# Altium PCB PROC054D_MMWCAS_RF_EVM_ASCII.PcbDoc (part 12 of 13) (continued)
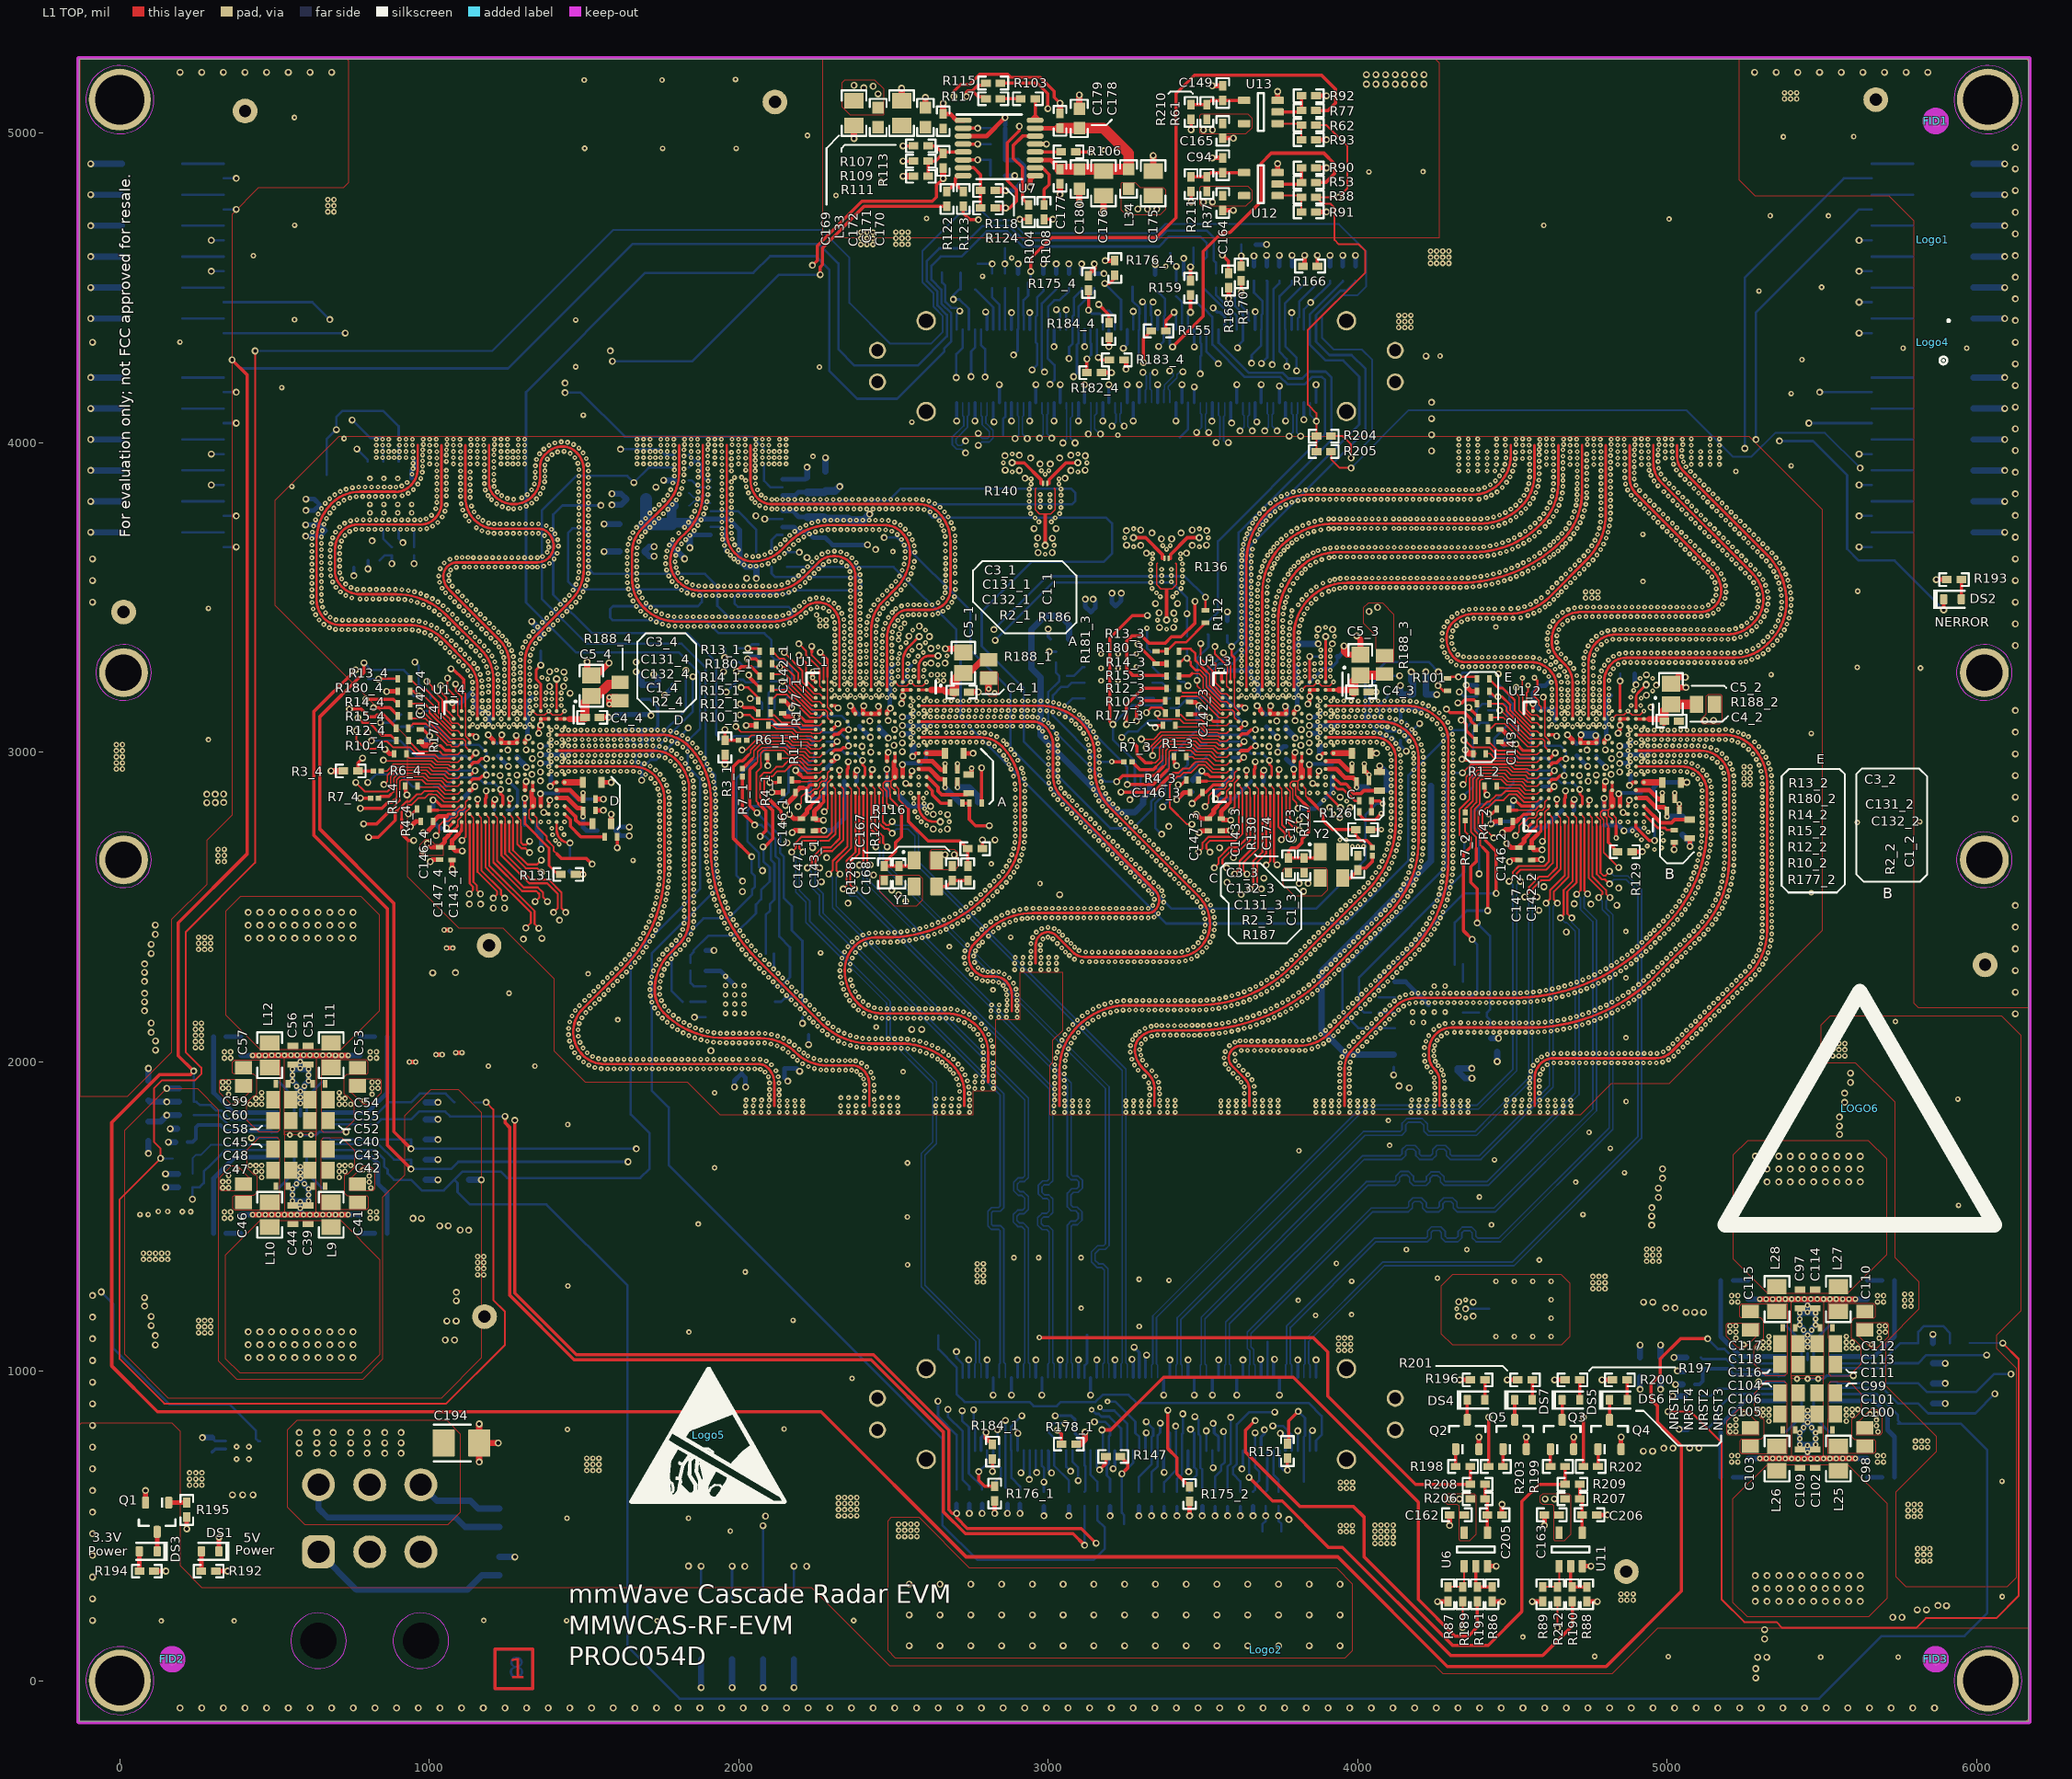
[diagram p0: L1 TOP view]
## Polygon pours and split planes (outlines as drawn) (continued)
GND on L8 BOTTOM "L8_BOTTOM_GND_P29717" (solid, remove dead copper, pour order 29717): 377.44,716.09 369.17,707.82 369.17,684.67 342.1,657.59 342.1,594.18 355.44,580.84 437.95,580.84 452.35,595.24 452.35,658.52 424.84,686.04 424.84,708.06 416.81,716.09
AWR_3_1V2_FILT on L8 BOTTOM "L8_BOTTOM_AWR_3_1V2_FILT_P29784" (solid, remove dead copper, pour order 29784): 3415,2926.83 3522.31,3034.14 3632.94,3034.14 3688.8,2978.27 3796.08,2978.27 3816.09,2958.26 3816.09,2796.64 3710.44,2690.99 3475.55,2690.99 3415,2751.55
SYSTEM_5V0 on L8 BOTTOM "L8_BOTTOM_SYSTEM_5V0_P29757" (solid, remove dead copper, pour order 29757): 18 vertices, not listed, extent 440.48,612.88 715.24,828.57
SYSTEM_3V3 on L3 SIGNAL 1 "L3_SIGNAL_1_SYSTEM_3V3_P29682" (solid, remove dead copper, pour order 29682): 19 vertices, not listed, extent 2819,3443.85 6168.77,5235.17
AWR_3_1V2_FILT on L3 SIGNAL 1 "L3_SIGNAL_1_AWR_3_1V2_FILT_P29678" (solid, remove dead copper, pour order 29678): 4005.77,1049.26 3933.6,977.08 3443.92,977.08 3238.07,1181.62 3238.07,1884.53 3238.07,2920.34 3282.12,2964.39 3458.65,3140.84 3651.28,3140.84 3798.48,2993.64 3798.48,1309.59 4005.77,1102.29
SYSTEM_3V3 on L3 SIGNAL 1 "L3_SIGNAL_1_SYSTEM_3V3_P29675" (solid, remove dead copper, pour order 29675): 4243.58,239.65 5079.35,239.61 5228.42,388.68 5993.24,388.68 6020.97,416.42 6020.97,978.39 6000.72,998.64 5897.16,998.64 5883.55,985.03 5883.55,761.72 5790.91,669.08 4284.49,669.08 4216.52,601.11 4216.52,266.71
AWR_1_1V8_FILT on L3 SIGNAL 1 "L3_SIGNAL_1_AWR_1_1V8_FILT_P29677" (solid, remove dead copper, pour order 29677): 33 vertices, not listed, extent 219.24,2018.28 2602.93,3521.26
AWR_4_1V8_FILT on L3 SIGNAL 1 "L3_SIGNAL_1_AWR_4_1V8_FILT_P29674" (solid, remove dead copper, pour order 29674): 33 vertices, not listed, extent 229.3,2334.58 1604.42,3118.67
SYSTEM_1V8 on L3 SIGNAL 1 "L3_SIGNAL_1_SYSTEM_1V8_P29681" (solid, remove dead copper, pour order 29681): 3338.64,4707.22 2888.04,4707.22 2887.04,4706.22 1925.24,4706.22 646.35,4706.22 644.69,4707.22 621.9,4730 621.9,4890.17 965.5,5233.76 3248.9,5233.76 3382.4,5100.27 3382.4,4750.97
AWR_2_1V2_FILT on L3 SIGNAL 1 "L3_SIGNAL_1_AWR_2_1V2_FILT_P29680" (solid, remove dead copper, pour order 29680): 4194.59,1669.78 4639.62,1224.75 4833.81,1224.75 4948.3,1338.9 4948.3,3000.29 4739.1,3209.49 4264.45,3209.49 4194.59,3139.64
AWR_4_1V2_FILT on L3 SIGNAL 1 "L3_SIGNAL_1_AWR_4_1V2_FILT_P29679" (solid, remove dead copper, pour order 29679): 26 vertices, not listed, extent -127.34,1294.53 1171.02,3439.25
AWR_1_1V0_RF2_FILT on L3 SIGNAL 1 "L3_SIGNAL_1_AWR_1_1V0_RF2_FILT_P29676" (solid, remove dead copper, pour order 29676): 1503.23,627.05 1464.92,665.36 1464.92,753.57 2246.94,1535.59 2757.85,1535.59 2822.27,1471.17 2822.27,709.1 2740.22,627.05
PMIC2_3V3 on L3 SIGNAL 1 "L3_SIGNAL_1_PMIC2_3V3_P29673" (solid, remove dead copper, pour order 29673): 19 vertices, not listed, extent 4858.79,683.99 5874.61,1146.4
AWR_1_1V2_FILT on L3 SIGNAL 1 "L3_SIGNAL_1_AWR_1_1V2_FILT_P29683" (solid, remove dead copper, pour order 29683): 38 vertices, not listed, extent -132.18,237.72 2611.83,3138.94
no net on Top Solder "Top Solder-No Net" (solid, pour order 29799): 3332.36,3390.31 3432.91,3390.31 3432.91,3495.97 3446.81,3509.87 3446.81,3605.94 3491.24,3650.37 3530.36,3650.37 3530.36,3735.15 3233.36,3735.15 3233.36,3648.77 3275.61,3648.77 3316.33,3608.05 3316.33,3520.34 3332.36,3504.31 3332.36,3390.31
no net on Top Solder "Top Solder-No Net" (solid, pour order 29801): 67 vertices, not listed, extent 3614,3123.04 5771.11,5188
no net on Top Solder "Top Solder-No Net" (solid, pour order 29803): 146 vertices, not listed, extent 1312.4,1032 5351,3172.49
GND on Top Solder "Top Solder-No Net" (solid, pour order 29802): 66 vertices, not listed, extent 600,3123.04 2718,5188
no net on Top Solder "Top Solder-No Net" (solid, pour order 29800): 2940,3623.5 3040.55,3623.5 3040.55,3737.98 3054.45,3751.88 3054.45,3847.95 3098.88,3892.38 3138,3892.38 3138,3977.16 2841,3977.16 2841,3890.78 2883.25,3890.78 2923.97,3850.06 2923.97,3762.35 2940,3746.32 2940,3623.5
AWR_1_1V0_RF1_FILT on L5 SIGNAL 2 "L5_SIGNAL_2_AWR_1_1V0_RF1_FILT_P29689" (solid, remove dead copper, pour order 29689): 27 vertices, not listed, extent 1117.03,1258.71 2672.13,3484.42
GND on L5 SIGNAL 2 "L5_SIGNAL_2_GND_P29692" (solid, remove dead copper, pour order 29692): -131,-131 6168.21,-131 6168.21,5239.07 -131,5239.07
SYSTEM_3V3 on L5 SIGNAL 2 "L5_SIGNAL_2_SYSTEM_3V3_P29691" (solid, remove dead copper, pour order 29691): 188 vertices, not listed, extent -131,-131 5930.08,5238.71
AWR_2_1V0_RF2_FILT on L5 SIGNAL 2 "L5_SIGNAL_2_AWR_2_1V0_RF2_FILT_P29688" (solid, remove dead copper, pour order 29688): 17 vertices, not listed, extent 5222.4,486.7 6164.28,2979.58
AWR_3_1V8_FILT on L5 SIGNAL 2 "L5_SIGNAL_2_AWR_3_1V8_FILT_P29690" (solid, remove dead copper, pour order 29690): 23 vertices, not listed, extent 3471.79,1035.43 5014.03,3258.13
AWR_2_1V0_RF1_FILT on L5 SIGNAL 2 "L5_SIGNAL_2_AWR_2_1V0_RF1_FILT_P29687" (solid, remove dead copper, pour order 29687): 5207.33,2501.24 5207.33,2455.45 5594.88,2067.91 5594.88,1991.57 5521.99,1918.68 4789.47,1918.68 4688.92,2017.98 4688.92,2235.08 4688.92,3512.52 4715.23,3538.84 4780.41,3538.84 5207.33,3111.92 5207.33,2592.86
SYSTEM_3V3 on L5 SIGNAL 2 "L5_SIGNAL_2_SYSTEM_3V3_P29686" (solid, remove dead copper, pour order 29686): 48 vertices, not listed, extent 3003,2913.21 4375.6,4618.88
AWR_4_1V8_FILT on L5 SIGNAL 2 "L5_SIGNAL_2_AWR_4_1V8_FILT_P29685" (solid, remove dead copper, pour order 29685): 1483.42,2743.92 1516.67,2777.17 1516.67,2997.47 1407.92,3107.62 1406.07,3109.48 1405.21,3108.63 1123.12,3108.63 1084.91,3070.42 1084.91,2812.77 1153.77,2743.92
AWR_3_1V2_FILT on L6 SIGNAL 3 "L6_SIGNAL_3_AWR_3_1V2_FILT_P29697" (solid, remove dead copper, pour order 29697): 3456.69,3146.71 3456.69,2997.69 3415,2956 3415,2747.99 3486.3,2676.69 3796.7,2676.69 3844,2723.99 3844,3024.66 3718.66,3150 3487,3150
SYSTEM_1V8 on L6 SIGNAL 3 "L6_SIGNAL_3_SYSTEM_1V8_P29699" (solid, remove dead copper, pour order 29699): 699.62,4851.17 740.01,4810.77 740.01,4218.05 394.02,3872.06 394.02,2608.2 356.97,2571.15 -112.55,2571.15 -122.82,2581.41 -122.82,4126.55 601.8,4851.17
AWR_1_1V0_RF2_FILT on L6 SIGNAL 3 "L6_SIGNAL_3_AWR_1_1V0_RF2_FILT_P29698" (solid, remove dead copper, pour order 29698): 2579.23,2950.74 2448.05,2819.56 2448.05,2474.21 2746.53,2175.12 2746.53,1290.34 2775.41,1261.46 3040.55,1261.46 3093.57,1314.48 3093.57,2473.6 2846.3,2720.87 2846.3,3219.22 2797.24,3268.28 2620.87,3268.28 2579.23,3226.64
AWR_1_1V8_FILT on L6 SIGNAL 3 "L6_SIGNAL_3_AWR_1_1V8_FILT_P29695" (solid, remove dead copper, pour order 29695): 2360.09,3200.58 2360.09,3385.41 2414.88,3440.21 2556.75,3440.21 2583,3413.95 2583,3260.01 2562.24,3239.25 2562.24,2955.31 2506.78,2899.85 2352.31,2899.85 2320.99,2931.17 2320.99,3161.49
AWR_4_1V8_FILT on L6 SIGNAL 3 "L6_SIGNAL_3_AWR_4_1V8_FILT_P29693" (solid, remove dead copper, pour order 29693): 1150.99,3079.99 1219.62,3148.62 1349.56,3148.62 1409.71,3088.46 1409.71,2833.69 1394,2817.98 1185.56,2817.98 1150.99,2852.55
AWR_2_1V2_FILT on L6 SIGNAL 3 "L6_SIGNAL_3_AWR_2_1V2_FILT_P29694" (solid, remove dead copper, pour order 29694): 4660.57,2646 4690.73,2676.15 4690.73,2945.36 4562.97,3073.12 4446.88,3073.12 4423.38,3049.63 4423.38,2688.31 4465.69,2646
AWR_2_1V8_FILT on L6 SIGNAL 3 "L6_SIGNAL_3_AWR_2_1V8_FILT_P29696" (solid, remove dead copper, pour order 29696): 4684.4,2807.14 4684.4,2862.48 4671.94,2874.94 4671.94,3022.89 4643.09,3051.75 4643.09,3107.75 4713.9,3178.56 4946.18,3178.56 5038.95,3085.78 5038.95,2787.87 4975.87,2724.79 4766.75,2724.79
SYSTEM_5V0 on L6 SIGNAL 3 "L6_SIGNAL_3_SYSTEM_5V0_P29700" (solid, remove dead copper, pour order 29700): 49 vertices, not listed, extent -129.36,-130.66 6168.33,5239.22
GND on L2 GND "L2_GND_GND_P29672" (solid, remove dead copper, pour order 29672): -131,-131 6168.21,-131 6168.21,5239.07 -131,5239.07
GND on L4 GND "L4_GND_GND_P29684" (solid, remove dead copper, pour order 29684): -131,-131 6168.21,-131 6168.21,5239.07 -131,5239.07
GND on L7 GND "L7_GND_GND_P29701" (solid, remove dead copper, pour order 29701): -131,-131 6168.21,-131 6168.21,5239.07 -131,5239.07

## Keep-outs
L2 GND:
  circle w1: c4899.43,2953.5 r6.17
  circle w1: c4899.44,3004.68 r6.17
  circle w1: c4899.43,3055.86 r6.17
  circle w1: c4797.07,3107.04 r6.17
  circle w1: c4745.89,3107.04 r6.17
  circle w1: c4694.71,3107.04 r6.17
  circle w1: c4643.53,3107.04 r6.17
  circle w1: c3896.43,3047.5 r6.17
  circle w1: c3896.43,3098.68 r6.17
  circle w1: c3896.43,3149.86 r6.17
  circle w1: c3794.07,3201.04 r6.17
  circle w1: c3742.89,3201.04 r6.17
  circle w1: c3691.71,3201.04 r6.17
  circle w1: c3640.53,3201.04 r6.17
  circle w1: c2581.43,3047.5 r6.17
  circle w1: c2581.43,3098.68 r6.17
  circle w1: c2581.43,3149.86 r6.17
  circle w1: c2479.07,3201.04 r6.17
  circle w1: c2427.89,3201.04 r6.17
  circle w1: c2376.71,3201.04 r6.17
  circle w1: c2325.53,3201.04 r6.17
  circle w1: c1411.43,2953.5 r6.17
  circle w1: c1411.43,3004.68 r6.17
  circle w1: c1411.43,3055.86 r6.17
  circle w1: c1309.07,3107.04 r6.17
  circle w1: c1257.89,3107.04 r6.17
  circle w1: c1206.71,3107.04 r6.17
  circle w1: c1155.53,3107.04 r6.17
  circle w1: c1411.43,3236 r18.5
  circle w1: c2583,3374.01 r18.5
  circle w1: c3896.43,3374 r18.5
L4 GND:
  circle w1: c2583,3374.01 r18.5
  circle w1: c1411.43,3236 r18.5
  circle w1: c3896.43,3374 r18.5
L5 SIGNAL 2:
  circle w1: c2583,3374.01 r18.5
  circle w1: c1411.43,3236 r18.5
  circle w1: c3896.43,3374 r18.5
L6 SIGNAL 3:
  circle w1: c2583,3374.01 r18.5
L7 GND:
  circle w1: c2583,3374.01 r18.5
  circle w1: c1411.43,3236 r18.5
  circle w1: c3896.43,3374 r18.5
L8 BOTTOM:
  circle w1: c2583,3374.01 r18.5
  circle w1: c1411.43,3236 r18.5
  circle w1: c3896.43,3374 r18.5
Keep-Out Layer:
  circle w1: c0,5108 r110
  circle w1: c0,0 r110
  circle w1: c6037,0 r110
  circle w1: c6037,5108 r110
  circle w1: c12,3257 r90
  circle w1: c12,2652 r90
  circle w1: c642.01,128.84 r90
  circle w1: c972.72,128.84 r90
  circle w1: c6025.21,3257 r90
  circle w1: c6025.21,2652 r90
  lines w10: -136,-131 ccw(c-131,-131) -131,-136 6168.21,-136 ccw(c6168.21,-131) 6173.21,-131 6173.21,5239.07 ccw(c6168.21,5239.07) 6168.21,5244.07 -131,5244.07 ccw(c-131,5239.07) -136,5239.07 -136,-131
  text ".Layer_Name" at 446,-989.49 h60

## Other copper
L1 TOP:
  rectangle net AWR_1_FMCW_CLKOUT: 3376.84,3504.57 3388.1,3529.57
  rectangle net AWR_1_FMCW_SYNCOUT: 2984.48,3756.64 2995.74,3771.58
  text "1" at 1257.24,7.47 h65
  text ".Layer_Name" at 446,-989.49 h60
L2 GND:
  text "2" at 1249.65,6.63 h65
  text ".Layer_Name" at 445.07,-990.08 h60
L3 SIGNAL 1:
  text "3" at 1250.07,8.31 h65
  text ".Layer_Name" at 445.07,-990.08 h60
L4 GND:
  text "4" at 1249.65,7.05 h65
  text ".Layer_Name" at 445.07,-990.08 h60
L5 SIGNAL 2:
  text "5" at 1250.92,5.78 h65
  text ".Layer_Name" at 445.07,-990.08 h60
L6 SIGNAL 3:
  text "6" at 1253.03,7.89 h65
  text ".Layer_Name" at 445.07,-990.08 h60
L7 GND:
  text "7" at 1253.45,6.63 h65
  text ".Layer_Name" at 445.07,-990.08 h60
L8 BOTTOM:
  text "8" at 1253.45,9.16 h65
  text ".Layer_Name" at 445.07,-990.08 h60

## Silkscreen, mask and mechanical layers (free items; w line width, h text height)
Top Overlay:
  circle w10: c2653.03,3214.87 r1.46
  circle w10: c4962.25,3174.79 r1.46
  circle w10: c3957.11,3272.93 r1.46
  circle w10: c1472.79,3163.76 r1.46
  circle w10: c2532.59,2676.81 r1.46
  circle w10: c3845.29,2701.94 r1.46
  lines w6: 423.04,1781.99 448.5,1781.99 459.36,1792.84 ; 707.72,1792.84 718.57,1781.99 744.04,1781.99 ; 2015.77,3320.92 2043.77,3320.92 ; 2332.34,4938.98 2332.34,4951.39 2342.34,4961.38 2507.13,4961.38 ; 3141.02,5026.48 3188.68,5026.48 3205.92,5043.72 ; 3321.38,3093.5 3328.89,3086 3352,3086 ; 3668.24,2669.54 3675.41,2662.38 3741.82,2662.38 ; 4253.97,1016.98 4468.56,1016.98 4483.38,1002.16 ; 4445.75,3005.98 4445.75,2981.4 4432.68,2968.33 4362.08,2968.33 4347.96,2982.45 4347.96,3242.88 4364.32,3259.24 4443.08,3259.24 4454.64,3247.68 4454.64,3104.4 ; 4748.36,1000.98 4759.62,1012.24 5025.79,1012.24 ; 4899.9,871.66 4923.88,871.66 5036.32,759.22 5162.34,759.22 5174.84,771.72 5174.84,792.62 ; 2757.71,3485.51 2859.11,3384.1 3057.1,3384.1 3091.09,3418.09 3091.09,3570.29 3044.01,3617.38 2788.24,3617.38 2757.71,3586.85 2757.71,3485.51
  lines w6.01: 426.48,1732.27 450.83,1732.27 458.48,1724.62 ; 712.07,1737.99 720.84,1746.76 745.04,1746.76 ; 944.93,2996.07 982.13,2996.07 ; 1588.31,2920.15 1615.44,2893.02 1615.44,2758.19 1608.54,2751.29 ; 1625.3,3265.7 1625.3,3335.38 ; 1700.48,3384.1 1672.91,3356.53 1672.91,3172.93 1714.14,3131.7 1818.56,3131.7 1820.77,3131.7 ; 2113.51,3089.5 2157.08,3089.5 ; 2362.29,2651.87 2367.65,2657.23 2439.92,2657.23 ; 2403.8,2681.69 2410.79,2674.7 2496.54,2674.7 2515.65,2693.81 2667,2693.81 2681.98,2678.83 ; 2782.25,3010.69 2821.68,2971.25 2821.68,2844.48 2809.07,2831.87 ; 2786.12,3188.29 2842.17,3188.29 2856.1,3202.22 ; 3388.4,5126.8 3395.26,5133.65 3461.14,5133.65 3467.51,5127.29 ; 3859.81,2776.51 3897.55,2776.51 3958.94,2715.13 4017.83,2715.13 4023.22,2709.74 ; 3990.71,2828.22 3990.71,2786.03 3994.09,2782.65 4070.23,2782.65 4083.47,2795.89 4083.47,2851.3 ; 4965.85,2874.04 4965.85,2814.9 4976.87,2803.88 4976.87,2663.86 5000.58,2640.15 5050.13,2640.15 5086.72,2676.74 ; 5075.6,3098.77 5179.97,3098.77 5190.57,3109.37 ; 5080.41,3214.2 5177.07,3214.2 5184.64,3214.2 5191.66,3207.18 ; 5179.7,3099.94 5180.5,3099.94 5197.24,3116.68 ; 5308.53,994.3 5323.35,994.3 5332.39,1003.34 ; 5308.93,959.38 5327.58,959.38 5336.62,950.34 ; 5578.93,951.25 5587.97,960.29 5611.69,960.29 ; 5579.33,1004.26 5588.37,995.22 5611.41,995.22 ; 3558.04,2536.69 3582.59,2512.13 3582.59,2409.62 3609.6,2382.62 3771.65,2382.62 3817.69,2428.65 3817.69,2545.28 3799.88,2563.08 3764.07,2563.08 3685.68,2641.48 3573.77,2641.48 3558.04,2625.75 3558.04,2536.69 ; 5611.27,2605.83 5636.26,2580.84 5816.72,2580.84 5841.1,2605.21 5841.1,2920.7 5815.33,2946.47 5629.38,2946.47 5611.27,2928.36 5611.27,2605.83
  lines w6.1: 1700.48,3384.1 1827.83,3384.1 1862.51,3349.43 1862.51,3172.05 1822.15,3131.7 1820.77,3131.7 ; 2283.74,4769.46 2283.74,4951.15 2324.41,4991.82 ; 2864.51,4820.27 2889.85,4794.93 2889.85,4733.89 ; 5370.26,2568.68 5370.26,2921.86 5393.9,2945.51 5557.86,2945.51 5575.15,2928.22 5575.15,2572.59 5548.93,2546.37 5392.57,2546.37 5370.26,2568.68
  text "NERROR" at 5864.56,3405.4 h30
  text "A" at 3065.94,3343.26 h30
  text "E" at 4474.86,3226.96 h30
  text "D" at 1790.88,3088.59 h30
  text "E" at 5482.95,2962.08 h30
  text "C" at 3964.79,2848.15 h30
  text "D" at 1582.53,2827.14 h30
  text "A" at 2836.26,2824.62 h30
  text "B" at 4992.45,2589.89 h35
  text "C" at 3520.57,2577.97 h30
  text "B" at 5697.65,2527.19 h35
  text "NRST1" at 5037.95,808.98 h30 r90
  text "NRST4" at 5085.36,807.09 h30 r90
  text "NRST2" at 5132.21,805.65 h30 r90
  text "NRST3" at 5180.48,806.13 h30 r90
  text "3.3V" at -89.1,447.91 h30
  text "5V" at 398.79,446.75 h30
  text "Power" at 372.34,407.16 h30
  text "Power" at -102.79,403.42 h30
  text "mmWave Cascade Radar EVM" at 1450,250 h60
  text "MMWCAS-RF-EVM" at 1450,150 h60
  text "PROC054D" at 1450,50 h60
  text ".Layer_Name" at 446,-989.49 h60
Bottom Overlay:
  circle w6: c2669,1068.58 r9.34
  circle w6: c542.01,423.47 r18.82
  circle w6: c311.73,690.17 r3.11
  lines w6: 277.79,1624 313.68,1624 334.05,1644.36 334.05,1882.26 314.76,1901.55 282.07,1901.55 ; 306.13,2363.74 306.13,2425.26 324.51,2443.64 ; 387.94,1087.03 407.64,1106.72 407.64,1154.69 ; 554.57,2448.13 567.1,2435.6 567.1,2313.29 ; 557.32,1106.96 568.59,1118.23 568.59,1215.51 ; 589.57,1213.58 589.57,1112.55 597.03,1105.09 ; 599.98,2313.29 599.98,2435.6 615.99,2451.62 ; 728.79,1163.91 728.79,1104.24 741.36,1091.67 ; 781.78,2367.49 781.78,2425.26 797.16,2440.64 ; 893.97,1588.83 853.56,1588.83 827.28,1615.11 827.28,1823.54 855.21,1851.47 899.61,1851.47 ; 945.37,3105.47 945.37,3133.19 ; 1244.3,3248.17 1273.25,3219.22 1273.25,3098.6 1264.29,3089.64 1251.2,3089.64 ; 1761.06,3991.09 1734.25,4017.89 1734.25,4191.28 1764.41,4221.43 ; 2548.11,4730.46 2593.13,4685.44 2593.13,4604.4 2626.4,4571.13 ; 2565.68,3188.55 2565.68,3200.84 2590.26,3225.43 2604,3225.43 ; 2694.82,525.06 2694.82,280.21 2732.55,242.48 ; 2831.59,4587.45 2831.59,4719.36 2887.16,4774.93 ; 2885.56,5055.79 2885.56,5097.21 2912.65,5124.29 ; 3769.96,3065.21 3769.96,3053.01 3793.34,3029.63 3793.34,3013.36 3821.81,2984.89 3821.81,2970.65 ; 4026.92,4588.28 4089.13,4650.49 4365.73,4650.49 4462.49,4747.26 4462.49,4794.75 ; 4713.62,3065.03 4713.62,3192.47 4738.96,3217.81 ; 4842.66,3048.72 4851.93,3057.98 4864.15,3057.98 ; 5158.94,840.78 5180.79,840.78 5211.25,871.24 5211.25,1078.76 5185.39,1104.63 5165.84,1104.63 ; 5305.31,273.19 5290.29,288.21 5290.29,391.19 5335.88,436.78 ; 5556.28,1682.51 5565.47,1673.31 5565.47,1519.58 ; 5739.61,1639.65 5749.37,1629.89 5749.37,1587.18 ; 5740.64,800.12 5727.47,800.12 5707.94,819.65 5707.94,1039.67 5729.99,1061.73 5742.92,1061.73 ; 4738.96,3217.81 4738.96,3217.81 ; 1285.67,1325.88 1285.67,1823.89 1349.44,1887.66 1652.96,1887.66 1718.37,1822.25 1718.37,1312.82 1661.22,1255.67 1355.88,1255.67 1285.67,1325.88 ; 1777.23,1306.77 1777.23,1820.65 1842.9,1886.32 2171.26,1886.32 2241.86,1815.73 2241.86,1313.34 2181.11,1252.6 1831.41,1252.6 1777.23,1306.77 ; 2672.45,4449.66 ccw(c2663.12,4449.66) 2672.45,4449.66 ; 4238.74,-20.4 4238.74,443.63 4292.21,497.1 4581.95,497.1 4629.82,449.23 4629.82,-17.03 4587.28,-59.56 4277.91,-59.56 4238.74,-20.4 ; 5311.42,2160.49 5311.42,2563.21 5399.97,2651.75 5770.6,2651.75 5850.11,2572.24 5850.11,2160.49 5796.05,2106.43 5365.48,2106.43 5311.42,2160.49
  lines w6.01: 14.26,1984.82 27.03,1997.59 149.27,1997.59 176.03,1970.83 ; 2400.09,3410.53 2412.18,3398.44 2412.18,3210.34 2403.6,3201.75 ; 3631.92,3551.44 3622.87,3542.39 3622.87,3334.73 3640.89,3316.71 ; 4098.62,3221.52 4098.62,3304.76 ; 4873.32,1113.32 5013.68,1113.32 5046.66,1080.34 ; 5178.36,1577.17 5178.36,1648.9 5185.99,1656.54
  text "GND" at 5594.21,5071.21 h30
  text "GND" at 2288.75,5066.97 h30
  text "GND" at 570.04,5033.07 h30
  text "CONN_MONITOR_2" at 2473.41,4745.09 h35 r270
  text "4_PMIC_CLKOUT" at 3262.5,4696.64 h30
  text "3_DIG_SYNCOUT" at 3393.62,4647.48 h30 r270
  text "3_PMIC_CLKOUT" at 3502.68,4626.13 h30 r270
  text "4_DIG_SYNCOUT" at 2730.05,4612.04 h30 r270
  text "4_TDO" at 2622.58,4587.67 h35 r270
  text "3_TDO" at 3200.91,4495.54 h35 r270
  text "CONN_TP4" at 3547.79,3898.05 h35
  text "CONN_TP3" at 2991.13,3897.38 h35
  text "1_DIG_SYNCOUT" at 1680.5,3868.27 h30
  text "GND" at 188.34,3402.77 h30
  text "R" at 5601.76,2672.34 h30
  text "3_PMIC_CLKOUT" at 5815.62,2533.29 h30
  text "GND" at 6057.1,2437.86 h30
  text "PMIC2_TMPSNS_SCL" at 5819.52,2393.61 h30
  text "GND" at 1358.39,2324.2 h30
  text "PMIC2_TMPSNS_SDA" at 5819.66,2255.15 h30
  text "PMIC_BUCK_EN" at 5770.77,2131.18 h30
  text "Q" at 1507.19,1916.54 h30
  text "Q" at 315.74,1914.63 h30
  text "P" at 1886.62,1903.32 h30
  text "P" at 880.67,1866.26 h30
  text "PMIC_NRST" at 1656.03,1726.51 h30
  text "1_PMIC_CLKOUT" at 2195.12,1725.42 h30
  text "PMIC1_SCL" at 2135.41,1582.33 h30
  text "PMIC1_VANA" at 1673.26,1580.7 h30
  text "PMIC1_SDA" at 2142.9,1445.8 h30
  text "PMIC1_PGOOD" at 1666.63,1442.84 h30
  text "PMIC_BUCK_EN" at 2183.85,1304.05 h30
  text "PMIC1_GPIO2" at 1670.61,1302.33 h30
  text "CONN_TP1" at 3269.36,1205.83 h35
  text "CONN_TP2" at 3856.23,1181.59 h35
  text "CONN_MONITOR_1" at 2614.41,1146.35 h35
  text "GND" at 1346.62,1130.78 h30
  text "R" at 5753.36,1083.6 h30
  text "12XX_3_FMCW_CLKOUT" at 4728.12,1035.66 h30
  text "S" at 5257.82,988.51 h30
  text "2_TDO" at 3868.62,480.32 h35 r270
  text "1_TDO" at 3420.29,425.96 h35
  text "PMIC_NRST" at 4547.82,380.95 h30
  text "2_PMIC_CLKOUT" at 3700.98,357.6 h35
  text "2_DIG_SYNCOUT" at 4170.56,357.47 h35
  text "1_PMIC_CLKOUT" at 3155.4,352.81 h35
  text "GND" at 4778.55,318.04 h30
  text "PMIC2_VANA" at 4587.21,250.31 h30
  text "S" at 4678.84,211.3 h30
  text "PMIC2_PGOOD" at 4597.44,125.51 h30
  text "PMIC2_GPIO2" at 4593.35,-12.94 h30
  text ".Layer_Name" at 446,-989.49 h60
Top Paste:
  text ".Layer_Name" at 446,-989.49 h60
Bottom Paste:
  text ".Layer_Name" at 446,-989.49 h60
Top Solder:
  text ".Layer_Name" at 446,-989.49 h60
  text ".Layer_Name" at 446,-989.49 h60
Bottom Solder:
  text ".Layer_Name" at 446,-989.49 h60
Drill Guide:
  text ".Layer_Name" at 446,-989.49 h60
M1 Board Outline:
  the board outline again, w10
  text ".Layer_Name" at 445.07,-990.08 h60
M2 Board Dimensions:
  text ".Layer_Name" at 445.07,-990.08 h60
M3 3D STEP Top:
  text ".Layer_Name" at 446,-989.49 h60
M4 3D STEP Bottom:
  text ".Layer_Name" at 446,-989.49 h60
M5 Assembly Top:
  lines w5: 583.54,1762.96 583.54,2206.19 ; 5554.26,975.11 5554.26,1418.34
  lines w10: -423,-1061.17 6177,-1061.17 ; -423,-857.83 6179,-857.83 ; -423,-654.5 -423,-1264.5 3582,-1264.5 6179,-1264.5 6179,-654.5 -422.5,-654.5 -422.5,-1264.5 1153,-1264.5 ; 2042,-1264.5 2042,-654.5 ; 3309,-857.83 3309,-654.5 ; 4149,-857.83 4149,-654.5 ; 4771,-1271 4771,-1068.17
  text "COMPONENTS MARKED 'DNP' SHOULD NOT BE POPULATED." at 1022.5,-449.5 h60
  text "ASSEMBLY VARIANT:" at 1022,-565 h60
  text ".VariantName" at 2058,-565 h60
  text "PCB VIEWED FROM TOP SIDE" at -359.5,-786.67 h60
  text "BOARD #:" at 2117,-786.67 h60
  text ".PRJ_Number" at 2662.5,-786.67 h60
  text "REV:" at 3507,-786.67 h60
  text ".PCB_Rev" at 3798.5,-786.67 h60
  text "SVN REV:" at 4345,-786.67 h60
  text ".VersionControl_RevNumber" at 4851,-786.67 h60
  text "PLOT NAME =" at -359.5,-1195.34 h60
  text ".plot_File_Name" at 446,-1195.34 h60
  text "GENERATED    :" at 2119,-1195.34 h60
  text ".Print_Date" at 2988.5,-1195.34 h60
  text ".Print_Time" at 3717.5,-1195.34 h60
  text "TEXAS INSTRUMENTS" at 4982,-1195.34 h60
M6 Assembly Bottom:
  lines w10: -423.5,-858.33 6178.5,-858.33 ; -421.5,-1061.67 6178.5,-1061.67 ; 984.5,-1271.5 984.5,-1068.67 ; 1606.5,-858.33 1606.5,-655 ; 2446.5,-858.33 2446.5,-655 ; 3713.5,-1265 3713.5,-655 ; 4602.5,-1265 6178,-1265 6178,-655 -423.5,-655 -423.5,-1265 2173.5,-1265 6178.5,-1265 6178.5,-655
  text "COMPONENTS MARKED 'DNP' SHOULD NOT BE POPULATED." at 5971,-449 h60
  text ".VariantName" at 4927,-565 h60
  text "ASSEMBLY VARIANT:" at 5966,-565 h60
  text ".VersionControl_RevNumber" at 904.5,-787.17 h60
  text "SVN REV:" at 1410.5,-787.17 h60
  text ".PCB_Rev" at 1957,-787.17 h60
  text "REV:" at 2248.5,-787.17 h60
  text ".PRJ_Number" at 3093,-787.17 h60
  text "BOARD #:" at 3638.5,-787.17 h60
  text "PCB VIEWED FROM BOTTOM SIDE" at 6115,-787.17 h60
  text "TEXAS INSTRUMENTS" at 773.5,-1195.84 h60
  text ".Print_Time" at 2038,-1195.84 h60
  text ".Print_Date" at 2767,-1195.84 h60
  text "GENERATED    :" at 3636.5,-1195.84 h60
  text ".plot_File_Name" at 5309.5,-1195.84 h60
  text "PLOT NAME =" at 6115,-1195.84 h60
M9 Title Sheet:
  lines w5: -723.5,3435 -423.5,3435 ; -723.5,8435 -423.5,8435 ; 3276.5,-1565 3276.5,-1265 ; 3276.5,13135 3276.5,13435 ; 7276.5,-1565 7276.5,-1265 ; 7276.5,13135 7276.5,13435 ; 11276.5,-1565 11276.5,-1265 ; 11276.5,13135 11276.5,13435 ; 13076.5,-1265 14476.5,-1265 18976.5,-1265 ; 15276.5,-1565 15276.5,-1265 ; 15276.5,13135 15276.5,13435 ; 18976.5,-65 18976.5,-1265 ; 18976.5,3435 19276.5,3435 ; 18976.5,8435 19276.5,8435 ; 19276.5,-1265 19276.5,-1565 ; 18976.5,-1265 18976.5,13135 -423.5,13135 -423.5,-1265 18976.5,-1265 ; 19276.5,-1565 19276.5,13435 -723.5,13435 -723.5,-1565 19276.5,-1565
  lines w10: 10994,-1273.39 10994,-663.39 15976.5,-663.39 ; 15976.5,-1273.39 15976.5,-663.39 ; 15976.5,-963.39 18976.5,-963.39 ; 15976.5,-363.39 18976.5,-363.39 ; 15977.5,230.61 18977.5,230.61 ; 17481.5,-1263.39 17481.5,-663.39 ; 18976.5,-663.39 15976.5,-663.39 ; 18976.5,-63.39 15976.5,-63.39 ; 18981.5,731.11 15977.5,731.11 15976.5,731.11 15976.5,230.61 15976.5,-63.39 ; 15976.5,-663.39 15976.5,-63.39
  text "1" at 1258.5,13245 h70
  text "2" at 5253.5,13245 h70
  text "3" at 9248.5,13245 h70
  text "4" at 13249.51,13245 h70
  text "5" at 17247.84,13245 h70
  text "B" at -598.5,10847 h70
  text "B" at 19101.5,10847 h70
  text "C" at -598.5,5847 h70
  text "C" at 19101.5,5847 h70
  text "D" at -598.5,847 h70
  text "D" at 19101.5,847 h70
  text "PROJECT TITLE:" at 16016.5,137.61 h45
  text ".PRJ_Title" at 16066.5,4.28 h70
  text "DESIGNED FOR:" at 16016.5,-163.39 h45
  text ".PRJ_Customer" at 16066.5,-303.39 h70
  text "FILE NAME:" at 16016.5,-463.39 h45
  text ".PCB_File_Name_No_Path" at 16066.5,-583.39 h70
  text "Texas Instruments (TI) and/or its licensors do not warrant the accuracy or completeness of this specification" at 11047,-745.23 h45
  text "ENGINEER:" at 16016.5,-753.39 h45
  text "LAYOUT BY:" at 17521.5,-753.39 h45
  text "or any information contained therein. TI and/or its licensors do not warrant that this design will meet" at 11002.01,-857.89 h45
  text ".PRJ_Engineer" at 16066.5,-908.38 h70
  text ".PCB_Layout" at 17572,-908.38 h70
  text "the specifications, will be suitable for your application or fit for any particular purpose, or will operate in" at 11002.01,-970.56 h45
  text ".Layer_Name" at 445.07,-990.08 h60
  text "ALTIUM DESIGNER VERSION:" at 17521.5,-1063.39 h45
  text "an implementation. TI and/or its licensors do not warrant that the design is production worthy. You should" at 11002.01,-1083.22 h45
  text "completely validate and test your design implementation to confirm the system functionality for your application." at 11047,-1195.89 h45
  text ".print_Scale" at 16066.5,-1196.72 h70
  text ".Application_BuildNumber" at 17572,-1196.72 h70
  text "1" at 1258.5,-1450 h70
  text "2" at 5253.5,-1450 h70
  text "3" at 9248.5,-1450 h70
  text "4" at 13249.51,-1450 h70
  text "WO#307308-7306-D" at 16509.44,-1456.87 h70
  text "5" at 15928.92,-1461.99 h70